# Altium PCB A8_multiple.PcbDoc (part 8 of 10)
Units mm, origin at the board's own origin, x right, y up, seen from the top; angles counter-clockwise.
Board outline 140 x 140 mm, 2 copper layers (Top Layer, Bottom Layer); 80 components, 0 nets, 928 pads, 160 vias.
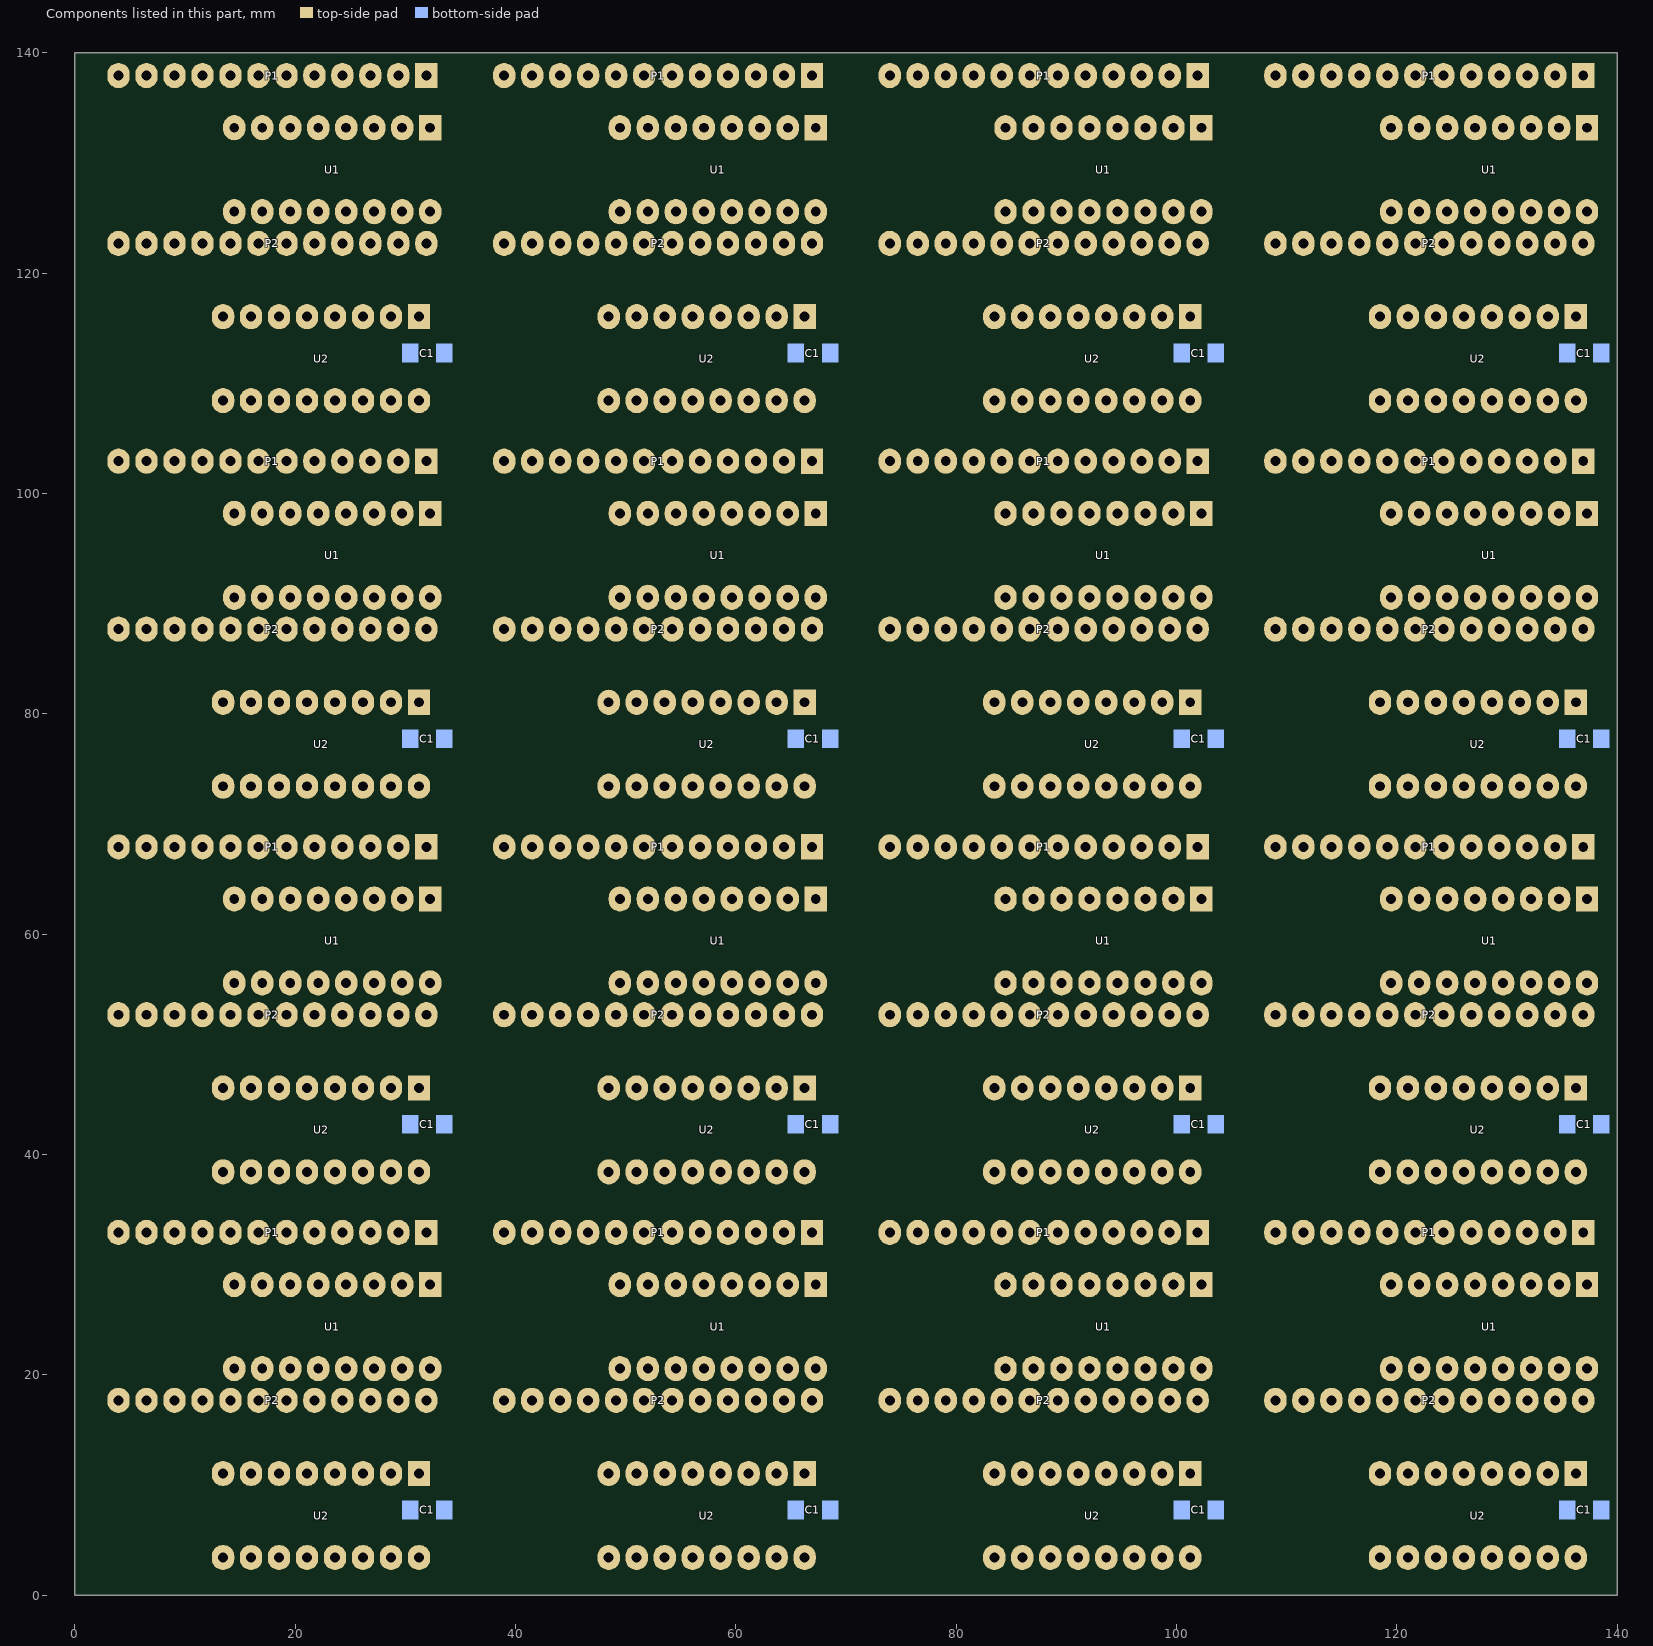
[diagram p8: the components of this part, seen from the top]

## Polygon pours and split planes (outlines as drawn) (continued)
no net on Bottom Layer "Top Layer-No Net 1" (solid, remove dead copper, pour order 30): 123.542,90.523 123.542,92.301 123.034,92.809 122.577,93.266 122.272,93.266 122.348,93.266 122.526,93.444 124.609,93.444 125.142,92.911 125.574,92.479 125.574,90.599
no net on Bottom Layer "Top Layer-No Net 1" (solid, remove dead copper, pour order 28): 121.027,90.599 121.027,91.692 120.367,92.352 120.672,92.657 120.697,92.657 121.993,92.657 122.678,91.971 123.034,91.615 123.034,90.701
no net on Bottom Layer "Top Layer-No Net 1" (solid, remove dead copper, pour order 26): 119.605,89.456 118.64,89.456 118.03,90.066 117.7,90.396 116.659,90.396 116.074,90.396 114.804,91.666 114.931,91.793 119.3,91.793 119.808,91.793 120.215,91.387 120.088,91.26 120.088,90.218
no net on Bottom Layer "Top Layer-No Net 1" (solid, remove dead copper, pour order 24): 110.842,84.199 110.766,84.122 110.486,84.122 110.512,84.148 110.512,85.011 111.299,85.011 111.553,85.265
no net on Bottom Layer "Top Layer-No Net 1" (solid, remove dead copper, pour order 22): 112.518,87.836 112.518,85.748 111.477,84.707 111.375,84.605 110.817,84.605 110.664,84.453 110.207,83.995 110.207,83.97 110.512,84.275 110.512,85.342 110.512,87.602 110.867,87.958
no net on Bottom Layer "Top Layer-No Net 1" (solid, remove dead copper, pour order 20): 112.518,87.653 112.518,88.72 111.401,89.837 111.274,89.964 111.274,91.387 111.274,91.869 112.137,92.733 111.985,92.885 111.883,92.885 111.604,92.885 110.486,91.768 110.512,91.742 110.512,87.729
no net on Bottom Layer "Top Layer-No Net 1" (solid, remove dead copper, pour order 18): 111.299,93.165 111.655,93.52 114.296,93.52 114.296,93.901 113.712,94.486 113.433,94.765 111.68,94.765 111.68,94.587 111.096,94.003
no net on Bottom Layer "Top Layer-No Net 1" (solid, remove dead copper, pour order 16): 23 vertices, not listed, extent 108.226,92.301 110.664,99.845
no net on Bottom Layer "Top Layer-No Net 1" (solid, remove dead copper, pour order 14): 24 vertices, not listed, extent 105.686,92.123 109.978,104.061
no net on Bottom Layer "Top Layer-No Net 1" (solid, remove dead copper, pour order 12): 26 vertices, not listed, extent 110.512,92.276 116.252,102.944
no net on Bottom Layer "Top Layer-No Net 1" (solid, remove dead copper, pour order 10): 19 vertices, not listed, extent 112.264,95.756 114.855,103.172
no net on Bottom Layer "Top Layer-No Net 1" (solid, remove dead copper, pour order 8): 26 vertices, not listed, extent 118.411,97.076 126.311,101.344
no net on Bottom Layer "Top Layer-No Net 1" (solid, remove dead copper, pour order 6): 18 vertices, not listed, extent 133.702,98.829 138.122,102.969
no net on Bottom Layer "Top Layer-No Net 1" (solid, remove dead copper, pour order 4): 131.213,97.94 131.213,97.127 132.457,95.883 132.483,95.857 134.54,95.857 134.54,96.238 134.489,96.289 133.804,96.289 133.321,96.772 133.169,96.924 133.169,98.245 131.772,98.245 131.619,98.397
no net on Bottom Layer "Top Layer-No Net 1" (solid, remove dead copper, pour order 2): 126.946,101.267 126.057,102.156 126.057,102.918 127.657,102.918 127.758,103.02 127.758,99.489 127.835,99.413 128.114,99.134 128.114,98.143 127.581,98.143 126.971,98.753 126.844,98.88 126.844,99.997 126.844,100.15 127.022,100.328
no net on Bottom Layer "Top Layer-No Net 1" (solid, pour order 116): 70.686,77.417 70.686,90.549 70.914,90.777 70.965,90.726 70.965,89.71 70.965,76.782 71.092,76.655
no net on Bottom Layer "Top Layer-No Net 1" (solid, pour order 114): 77.442,70.686 76.731,70.686 75.817,71.6 70.686,76.731 70.686,77.417 71.041,77.417 72.235,76.223 77.493,70.965 77.645,70.965
no net on Bottom Layer "Top Layer-No Net 1" (solid, pour order 112): 91.082,98.143 91.082,98.829 91.641,99.388 91.819,99.566 91.819,99.794 91.819,101.953 91.539,102.233 92.504,101.267 92.504,100.836 92.581,100.759 92.581,98.143
no net on Bottom Layer "Top Layer-No Net 1" (solid, pour order 110): 88.136,101.191 88.72,101.191 88.999,101.471 89.736,102.207 89.736,102.283 89.609,102.283 88.974,102.918 88.263,102.207 88.263,101.623 88.263,101.572 88.009,101.318
no net on Bottom Layer "Top Layer-No Net 1" (solid, pour order 108): 84.554,101.09 85.011,101.09 85.596,101.674 85.672,101.75 85.672,102.969 87.678,102.969 87.678,102.36 87.196,101.877 86.104,100.785 85.85,100.785
no net on Bottom Layer "Top Layer-No Net 1" (solid, pour order 106): 83.487,101.674 84.427,101.674 84.859,102.106 84.554,102.41 83.919,102.41 83.589,102.41 83.462,102.283
no net on Bottom Layer "Top Layer-No Net 1" (solid, pour order 104): 80.287,100.023 82.344,102.08 82.344,102.41 81.989,102.41 81.595,102.804 80.592,101.801 80.592,101.115 80.592,101.039 80.135,100.582 80.084,100.531 80.084,100.023
no net on Bottom Layer "Top Layer-No Net 1" (solid, pour order 102): 97.686,73.404 97.686,76.248 96.238,77.696 96.111,77.823 96.111,78.077 96.67,78.077 98.905,75.842 99.718,75.029 99.718,73.378
no net on Bottom Layer "Top Layer-No Net 1" (solid, pour order 100): 95.171,73.429 95.171,76.147 94.663,76.655 94.181,77.137 94.181,77.315 95.4,77.315 96.695,76.02 97.178,75.537 97.178,73.378
no net on Bottom Layer "Top Layer-No Net 1" (solid, pour order 98): 92.631,73.48 92.631,75.334 91.717,76.248 92.022,76.553 92.2,76.553 92.86,76.553 93.597,76.553 94.333,75.817 94.638,75.512 94.638,73.429
no net on Bottom Layer "Top Layer-No Net 1" (solid, pour order 96): 20 vertices, not listed, extent 83.386,73.454 92.098,76.274
no net on Bottom Layer "Top Layer-No Net 1" (solid, pour order 94): 100.353,76.909 98.753,76.909 96.848,78.814 97.229,79.195 97.457,79.195 99.083,79.195 99.87,78.407 100.099,78.179 100.48,78.179
no net on Bottom Layer "Top Layer-No Net 1" (solid, pour order 92): 33 vertices, not listed, extent 100.226,71.676 104.138,92.657
no net on Bottom Layer "Top Layer-No Net 1" (solid, pour order 90): 100.226,81.074 100.226,83.64 99.82,84.046 98.702,85.164 98.702,85.748 98.702,86.332 98.55,86.485 98.346,86.688 98.346,87.729 100.378,87.729 100.378,85.977 101.115,85.24 102.258,84.097 102.258,80.414
no net on Bottom Layer "Top Layer-No Net 1" (solid, pour order 88): 97.737,86.18 98.118,85.799 98.118,85.392 98.118,84.707 98.473,84.351 97.838,84.986 97.559,84.986
no net on Bottom Layer "Top Layer-No Net 1" (solid, pour order 86): 97.686,80.998 97.686,84.529 97.356,84.859 97.33,84.884 97.33,85.469 95.832,86.967 95.832,87.729 97.838,87.729 97.838,85.215 98.931,84.122 99.718,83.335 99.718,81.024
no net on Bottom Layer "Top Layer-No Net 1" (solid, pour order 84): 95.146,81.049 95.146,82.878 94.968,83.056 94.46,83.564 94.46,85.037 94.46,85.215 95.298,86.053 96.111,86.053 96.441,85.723 96.873,85.291 96.873,85.265 96.873,84.757 97.076,84.554 97.178,84.453 97.178,81.074
no net on Bottom Layer "Top Layer-No Net 1" (solid, pour order 82): 17 vertices, not listed, extent 92.606,80.998 95.324,88.415
no net on Bottom Layer "Top Layer-No Net 1" (solid, pour order 80): 90.752,87.678 90.752,84.91 90.853,84.808 90.955,84.707 90.955,83.36 90.955,82.878 90.472,82.395 90.066,81.989 90.066,80.998 92.098,80.998 92.098,85.469 92.631,86.002 92.758,86.129 92.758,87.729
no net on Bottom Layer "Top Layer-No Net 1" (solid, pour order 78): 28 vertices, not listed, extent 82.446,78.611 90.549,84.681
no net on Bottom Layer "Top Layer-No Net 1" (solid, pour order 76): 87.272,85.519 88.212,86.459 88.212,87.577 90.041,87.577 90.218,87.755 90.218,86.256 89.406,85.443 89.075,85.113 88.161,85.113 87.729,85.113 87.196,84.58 86.383,83.767 85.85,83.767 85.85,83.995 85.799,84.046
no net on Bottom Layer "Top Layer-No Net 1" (solid, pour order 74): 85.672,87.704 85.672,86.078 85.215,85.621 84.605,85.011 84.605,84.656 85.494,84.656 87.196,86.358 87.678,86.84 87.678,87.78
no net on Bottom Layer "Top Layer-No Net 1" (solid, pour order 72): 82.446,85.646 83.132,86.332 83.132,87.805 85.113,87.805 85.138,87.78 85.138,86.383 84.961,86.205 84.173,85.418 82.598,85.418
no net on Bottom Layer "Top Layer-No Net 1" (solid, pour order 70): 82.598,87.729 82.598,86.383 81.582,85.367 81.151,84.935 80.668,84.935 80.643,84.961 80.643,87.78
no net on Bottom Layer "Top Layer-No Net 1" (solid, pour order 68): 83.462,72.311 82.522,72.311 80.998,73.835 76.909,77.925 76.909,78.306 76.985,78.23 77.823,78.23 78.687,78.23 79.22,77.696 81.354,75.563 82.776,75.563 83.36,75.563 84.199,74.724 84.478,74.445 84.478,73.429
no net on Bottom Layer "Top Layer-No Net 1" (solid, pour order 66): 78.687,71.524 78.001,71.524 77.874,71.651 72.057,77.468 72.057,78.128 74.191,75.994 78.407,71.778 78.788,71.778
no net on Bottom Layer "Top Layer-No Net 1" (solid, pour order 64): 84.986,73.404 84.986,72.438 84.3,71.753 84.605,71.448 85.265,71.448 86.104,71.448 86.535,71.88 87.018,72.362 87.018,73.454
no net on Bottom Layer "Top Layer-No Net 1" (solid, pour order 62): 87.526,73.454 87.526,71.829 86.942,71.245 86.688,70.991 86.332,70.991 86.332,70.965 86.612,70.686 88.263,70.686 89.482,71.905 89.558,71.981 89.558,73.454
no net on Bottom Layer "Top Layer-No Net 1" (solid, pour order 60): 70.686,89.152 70.686,90.701 71.422,91.438 72.819,91.438 73.48,92.098 73.556,92.022 73.556,91.869
no net on Bottom Layer "Top Layer-No Net 1" (solid, pour order 58): 73.433,80.033 73.785,80.033 74.115,80.363 73.734,80.744 73.734,80.77 73.404,80.77 73.099,80.465
no net on Bottom Layer "Top Layer-No Net 1" (solid, remove dead copper, pour order 56): 17 vertices, not listed, extent 72.616,80.033 74.928,90.549
no net on Bottom Layer "Top Layer-No Net 1" (solid, remove dead copper, pour order 54): 78.484,82.649 78.484,79.169 77.976,78.661 77.569,78.661 76.96,79.271 75.715,80.516 75.715,83.208 78.484,83.208
no net on Bottom Layer "Top Layer-No Net 1" (solid, remove dead copper, pour order 52): 24 vertices, not listed, extent 75.715,81.836 80.058,92.047
no net on Bottom Layer "Top Layer-No Net 1" (solid, remove dead copper, pour order 50): 96.721,100.886 97.432,100.175 97.889,100.175 97.94,100.175 98.575,99.54 98.778,99.743 99.337,99.743 99.337,99.947 97.737,101.547 97.711,101.521 96.594,101.521
no net on Bottom Layer "Top Layer-No Net 1" (solid, remove dead copper, pour order 48): 97.991,100.886 96.721,100.886 96.238,101.369 95.832,101.775 95.832,102.868 97.508,102.868 97.711,103.071 97.737,103.045 97.737,101.547 97.737,101.344 98.169,100.912
no net on Bottom Layer "Top Layer-No Net 1" (solid, remove dead copper, pour order 46): 95.654,98.194 95.654,100.886 95.324,101.217 95.298,101.242 95.298,102.868 93.393,102.868 93.317,102.944 93.317,99.997 93.597,99.718 93.622,99.693 93.622,98.169
no net on Bottom Layer "Top Layer-No Net 1" (solid, remove dead copper, pour order 44): 101.267,104.061 102.918,104.061 104.315,102.664 104.315,99.388 104.163,99.388 103.96,99.591 101.267,102.283 101.242,102.283
no net on Bottom Layer "Top Layer-No Net 1" (solid, remove dead copper, pour order 42): 75.512,101.852 75.512,100.378 76.045,99.845 76.426,99.464 76.426,101.09 76.579,101.242 76.655,101.318 76.655,102.283 75.715,102.283 75.512,102.487
no net on Bottom Layer "Top Layer-No Net 1" (solid, pour order 40): 74.978,101.572 74.978,100.734 74.724,100.48 74.623,100.378 73.505,100.378 73.505,101.318 73.962,101.775
no net on Bottom Layer "Top Layer-No Net 1" (solid, remove dead copper, pour order 38): 98.727,90.498 98.727,92.86 98.169,93.419 96.568,95.019 96.568,95.375 96.975,94.968 98.499,94.968 98.778,94.968 99.87,93.876 100.709,93.038 100.709,90.498
no net on Bottom Layer "Top Layer-No Net 1" (solid, remove dead copper, pour order 36): 96.162,90.523 96.162,93.52 94.994,94.689 94.257,95.425 94.028,95.425 94.028,95.679 94.079,95.73 94.968,95.73 96.899,93.8 98.194,92.504 98.194,90.447
no net on Bottom Layer "Top Layer-No Net 1" (solid, remove dead copper, pour order 34): 93.622,90.549 93.622,93.546 92.885,94.282 92.504,94.663 92.2,94.663 92.301,94.663 92.606,94.968 93.698,94.968 94.689,93.978 95.654,93.012 95.654,90.549
no net on Bottom Layer "Top Layer-No Net 1" (solid, remove dead copper, pour order 32): 91.082,90.549 91.082,93.089 90.32,93.851 90.269,93.901 90.269,94.206 91.869,94.206 92.835,93.241 93.114,92.962 93.114,90.625
no net on Bottom Layer "Top Layer-No Net 1" (solid, remove dead copper, pour order 30): 88.542,90.523 88.542,92.301 88.034,92.809 87.577,93.266 87.272,93.266 87.348,93.266 87.526,93.444 89.609,93.444 90.142,92.911 90.574,92.479 90.574,90.599
no net on Bottom Layer "Top Layer-No Net 1" (solid, remove dead copper, pour order 28): 86.027,90.599 86.027,91.692 85.367,92.352 85.672,92.657 85.697,92.657 86.993,92.657 87.678,91.971 88.034,91.615 88.034,90.701
no net on Bottom Layer "Top Layer-No Net 1" (solid, remove dead copper, pour order 26): 84.605,89.456 83.64,89.456 83.03,90.066 82.7,90.396 81.659,90.396 81.074,90.396 79.804,91.666 79.931,91.793 84.3,91.793 84.808,91.793 85.215,91.387 85.088,91.26 85.088,90.218
no net on Bottom Layer "Top Layer-No Net 1" (solid, remove dead copper, pour order 24): 75.842,84.199 75.766,84.122 75.486,84.122 75.512,84.148 75.512,85.011 76.299,85.011 76.553,85.265
no net on Bottom Layer "Top Layer-No Net 1" (solid, remove dead copper, pour order 22): 77.518,87.836 77.518,85.748 76.477,84.707 76.375,84.605 75.817,84.605 75.664,84.453 75.207,83.995 75.207,83.97 75.512,84.275 75.512,85.342 75.512,87.602 75.867,87.958
no net on Bottom Layer "Top Layer-No Net 1" (solid, remove dead copper, pour order 20): 77.518,87.653 77.518,88.72 76.401,89.837 76.274,89.964 76.274,91.387 76.274,91.869 77.137,92.733 76.985,92.885 76.883,92.885 76.604,92.885 75.486,91.768 75.512,91.742 75.512,87.729
no net on Bottom Layer "Top Layer-No Net 1" (solid, remove dead copper, pour order 18): 76.299,93.165 76.655,93.52 79.296,93.52 79.296,93.901 78.712,94.486 78.433,94.765 76.68,94.765 76.68,94.587 76.096,94.003
no net on Bottom Layer "Top Layer-No Net 1" (solid, remove dead copper, pour order 16): 23 vertices, not listed, extent 73.226,92.301 75.664,99.845
no net on Bottom Layer "Top Layer-No Net 1" (solid, remove dead copper, pour order 14): 24 vertices, not listed, extent 70.686,92.123 74.978,104.061
no net on Bottom Layer "Top Layer-No Net 1" (solid, remove dead copper, pour order 12): 26 vertices, not listed, extent 75.512,92.276 81.252,102.944
no net on Bottom Layer "Top Layer-No Net 1" (solid, remove dead copper, pour order 10): 19 vertices, not listed, extent 77.264,95.756 79.855,103.172
no net on Bottom Layer "Top Layer-No Net 1" (solid, remove dead copper, pour order 8): 26 vertices, not listed, extent 83.411,97.076 91.311,101.344
no net on Bottom Layer "Top Layer-No Net 1" (solid, remove dead copper, pour order 6): 18 vertices, not listed, extent 98.702,98.829 103.122,102.969
no net on Bottom Layer "Top Layer-No Net 1" (solid, remove dead copper, pour order 4): 96.213,97.94 96.213,97.127 97.457,95.883 97.483,95.857 99.54,95.857 99.54,96.238 99.489,96.289 98.804,96.289 98.321,96.772 98.169,96.924 98.169,98.245 96.772,98.245 96.619,98.397
no net on Bottom Layer "Top Layer-No Net 1" (solid, remove dead copper, pour order 2): 91.946,101.267 91.057,102.156 91.057,102.918 92.657,102.918 92.758,103.02 92.758,99.489 92.835,99.413 93.114,99.134 93.114,98.143 92.581,98.143 91.971,98.753 91.844,98.88 91.844,99.997 91.844,100.15 92.022,100.328
no net on Bottom Layer "Top Layer-No Net 1" (solid, pour order 116): 35.686,77.417 35.686,90.549 35.914,90.777 35.965,90.726 35.965,89.71 35.965,76.782 36.092,76.655
no net on Bottom Layer "Top Layer-No Net 1" (solid, pour order 114): 42.442,70.686 41.731,70.686 40.817,71.6 35.686,76.731 35.686,77.417 36.041,77.417 37.235,76.223 42.493,70.965 42.645,70.965
no net on Bottom Layer "Top Layer-No Net 1" (solid, pour order 112): 56.082,98.143 56.082,98.829 56.641,99.388 56.819,99.566 56.819,99.794 56.819,101.953 56.539,102.233 57.504,101.267 57.504,100.836 57.581,100.759 57.581,98.143
no net on Bottom Layer "Top Layer-No Net 1" (solid, pour order 110): 53.136,101.191 53.72,101.191 53.999,101.471 54.736,102.207 54.736,102.283 54.609,102.283 53.974,102.918 53.263,102.207 53.263,101.623 53.263,101.572 53.009,101.318
no net on Bottom Layer "Top Layer-No Net 1" (solid, pour order 108): 49.554,101.09 50.011,101.09 50.596,101.674 50.672,101.75 50.672,102.969 52.678,102.969 52.678,102.36 52.196,101.877 51.104,100.785 50.85,100.785
no net on Bottom Layer "Top Layer-No Net 1" (solid, pour order 106): 48.487,101.674 49.427,101.674 49.859,102.106 49.554,102.41 48.919,102.41 48.589,102.41 48.462,102.283
no net on Bottom Layer "Top Layer-No Net 1" (solid, pour order 104): 45.287,100.023 47.344,102.08 47.344,102.41 46.989,102.41 46.595,102.804 45.592,101.801 45.592,101.115 45.592,101.039 45.135,100.582 45.084,100.531 45.084,100.023
no net on Bottom Layer "Top Layer-No Net 1" (solid, pour order 102): 62.686,73.404 62.686,76.248 61.238,77.696 61.111,77.823 61.111,78.077 61.67,78.077 63.905,75.842 64.718,75.029 64.718,73.378
no net on Bottom Layer "Top Layer-No Net 1" (solid, pour order 100): 60.171,73.429 60.171,76.147 59.663,76.655 59.181,77.137 59.181,77.315 60.4,77.315 61.695,76.02 62.178,75.537 62.178,73.378
no net on Bottom Layer "Top Layer-No Net 1" (solid, pour order 98): 57.631,73.48 57.631,75.334 56.717,76.248 57.022,76.553 57.2,76.553 57.86,76.553 58.597,76.553 59.333,75.817 59.638,75.512 59.638,73.429
no net on Bottom Layer "Top Layer-No Net 1" (solid, pour order 96): 20 vertices, not listed, extent 48.386,73.454 57.098,76.274
no net on Bottom Layer "Top Layer-No Net 1" (solid, pour order 94): 65.353,76.909 63.753,76.909 61.848,78.814 62.229,79.195 62.457,79.195 64.083,79.195 64.87,78.407 65.099,78.179 65.48,78.179
no net on Bottom Layer "Top Layer-No Net 1" (solid, pour order 92): 33 vertices, not listed, extent 65.226,71.676 69.138,92.657
no net on Bottom Layer "Top Layer-No Net 1" (solid, pour order 90): 65.226,81.074 65.226,83.64 64.82,84.046 63.702,85.164 63.702,85.748 63.702,86.332 63.55,86.485 63.346,86.688 63.346,87.729 65.378,87.729 65.378,85.977 66.115,85.24 67.258,84.097 67.258,80.414
no net on Bottom Layer "Top Layer-No Net 1" (solid, pour order 88): 62.737,86.18 63.118,85.799 63.118,85.392 63.118,84.707 63.473,84.351 62.838,84.986 62.559,84.986
no net on Bottom Layer "Top Layer-No Net 1" (solid, pour order 86): 62.686,80.998 62.686,84.529 62.356,84.859 62.33,84.884 62.33,85.469 60.832,86.967 60.832,87.729 62.838,87.729 62.838,85.215 63.931,84.122 64.718,83.335 64.718,81.024
no net on Bottom Layer "Top Layer-No Net 1" (solid, pour order 84): 60.146,81.049 60.146,82.878 59.968,83.056 59.46,83.564 59.46,85.037 59.46,85.215 60.298,86.053 61.111,86.053 61.441,85.723 61.873,85.291 61.873,85.265 61.873,84.757 62.076,84.554 62.178,84.453 62.178,81.074
no net on Bottom Layer "Top Layer-No Net 1" (solid, pour order 82): 17 vertices, not listed, extent 57.606,80.998 60.324,88.415
no net on Bottom Layer "Top Layer-No Net 1" (solid, pour order 80): 55.752,87.678 55.752,84.91 55.853,84.808 55.955,84.707 55.955,83.36 55.955,82.878 55.472,82.395 55.066,81.989 55.066,80.998 57.098,80.998 57.098,85.469 57.631,86.002 57.758,86.129 57.758,87.729
no net on Bottom Layer "Top Layer-No Net 1" (solid, pour order 78): 28 vertices, not listed, extent 47.446,78.611 55.549,84.681
no net on Bottom Layer "Top Layer-No Net 1" (solid, pour order 76): 52.272,85.519 53.212,86.459 53.212,87.577 55.041,87.577 55.218,87.755 55.218,86.256 54.406,85.443 54.075,85.113 53.161,85.113 52.729,85.113 52.196,84.58 51.383,83.767 50.85,83.767 50.85,83.995 50.799,84.046
no net on Bottom Layer "Top Layer-No Net 1" (solid, pour order 74): 50.672,87.704 50.672,86.078 50.215,85.621 49.605,85.011 49.605,84.656 50.494,84.656 52.196,86.358 52.678,86.84 52.678,87.78
no net on Bottom Layer "Top Layer-No Net 1" (solid, pour order 72): 47.446,85.646 48.132,86.332 48.132,87.805 50.113,87.805 50.138,87.78 50.138,86.383 49.961,86.205 49.173,85.418 47.598,85.418
no net on Bottom Layer "Top Layer-No Net 1" (solid, pour order 70): 47.598,87.729 47.598,86.383 46.582,85.367 46.151,84.935 45.668,84.935 45.643,84.961 45.643,87.78
no net on Bottom Layer "Top Layer-No Net 1" (solid, pour order 68): 48.462,72.311 47.522,72.311 45.998,73.835 41.909,77.925 41.909,78.306 41.985,78.23 42.823,78.23 43.687,78.23 44.22,77.696 46.354,75.563 47.776,75.563 48.36,75.563 49.199,74.724 49.478,74.445 49.478,73.429
no net on Bottom Layer "Top Layer-No Net 1" (solid, pour order 66): 43.687,71.524 43.001,71.524 42.874,71.651 37.057,77.468 37.057,78.128 39.191,75.994 43.407,71.778 43.788,71.778
no net on Bottom Layer "Top Layer-No Net 1" (solid, pour order 64): 49.986,73.404 49.986,72.438 49.3,71.753 49.605,71.448 50.265,71.448 51.104,71.448 51.535,71.88 52.018,72.362 52.018,73.454
no net on Bottom Layer "Top Layer-No Net 1" (solid, pour order 62): 52.526,73.454 52.526,71.829 51.942,71.245 51.688,70.991 51.332,70.991 51.332,70.965 51.612,70.686 53.263,70.686 54.482,71.905 54.558,71.981 54.558,73.454
no net on Bottom Layer "Top Layer-No Net 1" (solid, pour order 60): 35.686,89.152 35.686,90.701 36.422,91.438 37.819,91.438 38.48,92.098 38.556,92.022 38.556,91.869
no net on Bottom Layer "Top Layer-No Net 1" (solid, pour order 58): 38.433,80.033 38.785,80.033 39.115,80.363 38.734,80.744 38.734,80.77 38.404,80.77 38.099,80.465
no net on Bottom Layer "Top Layer-No Net 1" (solid, remove dead copper, pour order 56): 17 vertices, not listed, extent 37.616,80.033 39.928,90.549
no net on Bottom Layer "Top Layer-No Net 1" (solid, remove dead copper, pour order 54): 43.484,82.649 43.484,79.169 42.976,78.661 42.569,78.661 41.96,79.271 40.715,80.516 40.715,83.208 43.484,83.208
no net on Bottom Layer "Top Layer-No Net 1" (solid, remove dead copper, pour order 52): 24 vertices, not listed, extent 40.715,81.836 45.058,92.047
no net on Bottom Layer "Top Layer-No Net 1" (solid, remove dead copper, pour order 50): 61.721,100.886 62.432,100.175 62.889,100.175 62.94,100.175 63.575,99.54 63.778,99.743 64.337,99.743 64.337,99.947 62.737,101.547 62.711,101.521 61.594,101.521
no net on Bottom Layer "Top Layer-No Net 1" (solid, remove dead copper, pour order 48): 62.991,100.886 61.721,100.886 61.238,101.369 60.832,101.775 60.832,102.868 62.508,102.868 62.711,103.071 62.737,103.045 62.737,101.547 62.737,101.344 63.169,100.912
no net on Bottom Layer "Top Layer-No Net 1" (solid, remove dead copper, pour order 46): 60.654,98.194 60.654,100.886 60.324,101.217 60.298,101.242 60.298,102.868 58.393,102.868 58.317,102.944 58.317,99.997 58.597,99.718 58.622,99.693 58.622,98.169
no net on Bottom Layer "Top Layer-No Net 1" (solid, remove dead copper, pour order 44): 66.267,104.061 67.918,104.061 69.315,102.664 69.315,99.388 69.163,99.388 68.96,99.591 66.267,102.283 66.242,102.283
no net on Bottom Layer "Top Layer-No Net 1" (solid, remove dead copper, pour order 42): 40.512,101.852 40.512,100.378 41.045,99.845 41.426,99.464 41.426,101.09 41.579,101.242 41.655,101.318 41.655,102.283 40.715,102.283 40.512,102.487
no net on Bottom Layer "Top Layer-No Net 1" (solid, pour order 40): 39.978,101.572 39.978,100.734 39.724,100.48 39.623,100.378 38.505,100.378 38.505,101.318 38.962,101.775
no net on Bottom Layer "Top Layer-No Net 1" (solid, remove dead copper, pour order 38): 63.727,90.498 63.727,92.86 63.169,93.419 61.568,95.019 61.568,95.375 61.975,94.968 63.499,94.968 63.778,94.968 64.87,93.876 65.709,93.038 65.709,90.498
no net on Bottom Layer "Top Layer-No Net 1" (solid, remove dead copper, pour order 36): 61.162,90.523 61.162,93.52 59.994,94.689 59.257,95.425 59.028,95.425 59.028,95.679 59.079,95.73 59.968,95.73 61.899,93.8 63.194,92.504 63.194,90.447
no net on Bottom Layer "Top Layer-No Net 1" (solid, remove dead copper, pour order 34): 58.622,90.549 58.622,93.546 57.885,94.282 57.504,94.663 57.2,94.663 57.301,94.663 57.606,94.968 58.698,94.968 59.689,93.978 60.654,93.012 60.654,90.549
no net on Bottom Layer "Top Layer-No Net 1" (solid, remove dead copper, pour order 32): 56.082,90.549 56.082,93.089 55.32,93.851 55.269,93.901 55.269,94.206 56.869,94.206 57.835,93.241 58.114,92.962 58.114,90.625
no net on Bottom Layer "Top Layer-No Net 1" (solid, remove dead copper, pour order 30): 53.542,90.523 53.542,92.301 53.034,92.809 52.577,93.266 52.272,93.266 52.348,93.266 52.526,93.444 54.609,93.444 55.142,92.911 55.574,92.479 55.574,90.599
no net on Bottom Layer "Top Layer-No Net 1" (solid, remove dead copper, pour order 28): 51.027,90.599 51.027,91.692 50.367,92.352 50.672,92.657 50.697,92.657 51.993,92.657 52.678,91.971 53.034,91.615 53.034,90.701
no net on Bottom Layer "Top Layer-No Net 1" (solid, remove dead copper, pour order 26): 49.605,89.456 48.64,89.456 48.03,90.066 47.7,90.396 46.659,90.396 46.074,90.396 44.804,91.666 44.931,91.793 49.3,91.793 49.808,91.793 50.215,91.387 50.088,91.26 50.088,90.218
no net on Bottom Layer "Top Layer-No Net 1" (solid, remove dead copper, pour order 24): 40.842,84.199 40.766,84.122 40.486,84.122 40.512,84.148 40.512,85.011 41.299,85.011 41.553,85.265
no net on Bottom Layer "Top Layer-No Net 1" (solid, remove dead copper, pour order 22): 42.518,87.836 42.518,85.748 41.477,84.707 41.375,84.605 40.817,84.605 40.664,84.453 40.207,83.995 40.207,83.97 40.512,84.275 40.512,85.342 40.512,87.602 40.867,87.958
no net on Bottom Layer "Top Layer-No Net 1" (solid, remove dead copper, pour order 20): 42.518,87.653 42.518,88.72 41.401,89.837 41.274,89.964 41.274,91.387 41.274,91.869 42.137,92.733 41.985,92.885 41.883,92.885 41.604,92.885 40.486,91.768 40.512,91.742 40.512,87.729
no net on Bottom Layer "Top Layer-No Net 1" (solid, remove dead copper, pour order 18): 41.299,93.165 41.655,93.52 44.296,93.52 44.296,93.901 43.712,94.486 43.433,94.765 41.68,94.765 41.68,94.587 41.096,94.003
no net on Bottom Layer "Top Layer-No Net 1" (solid, remove dead copper, pour order 16): 23 vertices, not listed, extent 38.226,92.301 40.664,99.845
no net on Bottom Layer "Top Layer-No Net 1" (solid, remove dead copper, pour order 14): 24 vertices, not listed, extent 35.686,92.123 39.978,104.061
no net on Bottom Layer "Top Layer-No Net 1" (solid, remove dead copper, pour order 12): 26 vertices, not listed, extent 40.512,92.276 46.252,102.944
no net on Bottom Layer "Top Layer-No Net 1" (solid, remove dead copper, pour order 10): 19 vertices, not listed, extent 42.264,95.756 44.855,103.172
no net on Bottom Layer "Top Layer-No Net 1" (solid, remove dead copper, pour order 8): 26 vertices, not listed, extent 48.411,97.076 56.311,101.344
no net on Bottom Layer "Top Layer-No Net 1" (solid, remove dead copper, pour order 6): 18 vertices, not listed, extent 63.702,98.829 68.122,102.969
no net on Bottom Layer "Top Layer-No Net 1" (solid, remove dead copper, pour order 4): 61.213,97.94 61.213,97.127 62.457,95.883 62.483,95.857 64.54,95.857 64.54,96.238 64.489,96.289 63.804,96.289 63.321,96.772 63.169,96.924 63.169,98.245 61.772,98.245 61.619,98.397
no net on Bottom Layer "Top Layer-No Net 1" (solid, remove dead copper, pour order 2): 56.946,101.267 56.057,102.156 56.057,102.918 57.657,102.918 57.758,103.02 57.758,99.489 57.835,99.413 58.114,99.134 58.114,98.143 57.581,98.143 56.971,98.753 56.844,98.88 56.844,99.997 56.844,100.15 57.022,100.328
no net on Bottom Layer "Top Layer-No Net 1" (solid, pour order 116): 0.686,77.417 0.686,90.549 0.914,90.777 0.965,90.726 0.965,89.71 0.965,76.782 1.092,76.655
no net on Bottom Layer "Top Layer-No Net 1" (solid, pour order 114): 7.442,70.686 6.731,70.686 5.817,71.6 0.686,76.731 0.686,77.417 1.041,77.417 2.235,76.223 7.493,70.965 7.645,70.965
no net on Bottom Layer "Top Layer-No Net 1" (solid, pour order 112): 21.082,98.143 21.082,98.829 21.641,99.388 21.819,99.566 21.819,99.794 21.819,101.953 21.539,102.233 22.504,101.267 22.504,100.836 22.581,100.759 22.581,98.143
no net on Bottom Layer "Top Layer-No Net 1" (solid, pour order 110): 18.136,101.191 18.72,101.191 18.999,101.471 19.736,102.207 19.736,102.283 19.609,102.283 18.974,102.918 18.263,102.207 18.263,101.623 18.263,101.572 18.009,101.318
no net on Bottom Layer "Top Layer-No Net 1" (solid, pour order 108): 14.554,101.09 15.011,101.09 15.596,101.674 15.672,101.75 15.672,102.969 17.678,102.969 17.678,102.36 17.196,101.877 16.104,100.785 15.85,100.785
no net on Bottom Layer "Top Layer-No Net 1" (solid, pour order 106): 13.487,101.674 14.427,101.674 14.859,102.106 14.554,102.41 13.919,102.41 13.589,102.41 13.462,102.283
no net on Bottom Layer "Top Layer-No Net 1" (solid, pour order 104): 10.287,100.023 12.344,102.08 12.344,102.41 11.989,102.41 11.595,102.804 10.592,101.801 10.592,101.115 10.592,101.039 10.135,100.582 10.084,100.531 10.084,100.023
no net on Bottom Layer "Top Layer-No Net 1" (solid, pour order 102): 27.686,73.404 27.686,76.248 26.238,77.696 26.111,77.823 26.111,78.077 26.67,78.077 28.905,75.842 29.718,75.029 29.718,73.378
no net on Bottom Layer "Top Layer-No Net 1" (solid, pour order 100): 25.171,73.429 25.171,76.147 24.663,76.655 24.181,77.137 24.181,77.315 25.4,77.315 26.695,76.02 27.178,75.537 27.178,73.378
no net on Bottom Layer "Top Layer-No Net 1" (solid, pour order 98): 22.631,73.48 22.631,75.334 21.717,76.248 22.022,76.553 22.2,76.553 22.86,76.553 23.597,76.553 24.333,75.817 24.638,75.512 24.638,73.429
no net on Bottom Layer "Top Layer-No Net 1" (solid, pour order 96): 20 vertices, not listed, extent 13.386,73.454 22.098,76.274
no net on Bottom Layer "Top Layer-No Net 1" (solid, pour order 94): 30.353,76.909 28.753,76.909 26.848,78.814 27.229,79.195 27.457,79.195 29.083,79.195 29.87,78.407 30.099,78.179 30.48,78.179
no net on Bottom Layer "Top Layer-No Net 1" (solid, pour order 92): 33 vertices, not listed, extent 30.226,71.676 34.138,92.657
no net on Bottom Layer "Top Layer-No Net 1" (solid, pour order 90): 30.226,81.074 30.226,83.64 29.82,84.046 28.702,85.164 28.702,85.748 28.702,86.332 28.55,86.485 28.346,86.688 28.346,87.729 30.378,87.729 30.378,85.977 31.115,85.24 32.258,84.097 32.258,80.414
no net on Bottom Layer "Top Layer-No Net 1" (solid, pour order 88): 27.737,86.18 28.118,85.799 28.118,85.392 28.118,84.707 28.473,84.351 27.838,84.986 27.559,84.986
no net on Bottom Layer "Top Layer-No Net 1" (solid, pour order 86): 27.686,80.998 27.686,84.529 27.356,84.859 27.33,84.884 27.33,85.469 25.832,86.967 25.832,87.729 27.838,87.729 27.838,85.215 28.931,84.122 29.718,83.335 29.718,81.024
no net on Bottom Layer "Top Layer-No Net 1" (solid, pour order 84): 25.146,81.049 25.146,82.878 24.968,83.056 24.46,83.564 24.46,85.037 24.46,85.215 25.298,86.053 26.111,86.053 26.441,85.723 26.873,85.291 26.873,85.265 26.873,84.757 27.076,84.554 27.178,84.453 27.178,81.074
no net on Bottom Layer "Top Layer-No Net 1" (solid, pour order 82): 17 vertices, not listed, extent 22.606,80.998 25.324,88.415
no net on Bottom Layer "Top Layer-No Net 1" (solid, pour order 80): 20.752,87.678 20.752,84.91 20.853,84.808 20.955,84.707 20.955,83.36 20.955,82.878 20.472,82.395 20.066,81.989 20.066,80.998 22.098,80.998 22.098,85.469 22.631,86.002 22.758,86.129 22.758,87.729
no net on Bottom Layer "Top Layer-No Net 1" (solid, pour order 78): 28 vertices, not listed, extent 12.446,78.611 20.549,84.681
no net on Bottom Layer "Top Layer-No Net 1" (solid, pour order 76): 17.272,85.519 18.212,86.459 18.212,87.577 20.041,87.577 20.218,87.755 20.218,86.256 19.406,85.443 19.075,85.113 18.161,85.113 17.729,85.113 17.196,84.58 16.383,83.767 15.85,83.767 15.85,83.995 15.799,84.046
no net on Bottom Layer "Top Layer-No Net 1" (solid, pour order 74): 15.672,87.704 15.672,86.078 15.215,85.621 14.605,85.011 14.605,84.656 15.494,84.656 17.196,86.358 17.678,86.84 17.678,87.78
no net on Bottom Layer "Top Layer-No Net 1" (solid, pour order 72): 12.446,85.646 13.132,86.332 13.132,87.805 15.113,87.805 15.138,87.78 15.138,86.383 14.961,86.205 14.173,85.418 12.598,85.418
no net on Bottom Layer "Top Layer-No Net 1" (solid, pour order 70): 12.598,87.729 12.598,86.383 11.582,85.367 11.151,84.935 10.668,84.935 10.643,84.961 10.643,87.78
no net on Bottom Layer "Top Layer-No Net 1" (solid, pour order 68): 13.462,72.311 12.522,72.311 10.998,73.835 6.909,77.925 6.909,78.306 6.985,78.23 7.823,78.23 8.687,78.23 9.22,77.696 11.354,75.563 12.776,75.563 13.36,75.563 14.199,74.724 14.478,74.445 14.478,73.429
no net on Bottom Layer "Top Layer-No Net 1" (solid, pour order 66): 8.687,71.524 8.001,71.524 7.874,71.651 2.057,77.468 2.057,78.128 4.191,75.994 8.407,71.778 8.788,71.778
no net on Bottom Layer "Top Layer-No Net 1" (solid, pour order 64): 14.986,73.404 14.986,72.438 14.3,71.753 14.605,71.448 15.265,71.448 16.104,71.448 16.535,71.88 17.018,72.362 17.018,73.454
no net on Bottom Layer "Top Layer-No Net 1" (solid, pour order 62): 17.526,73.454 17.526,71.829 16.942,71.245 16.688,70.991 16.332,70.991 16.332,70.965 16.612,70.686 18.263,70.686 19.482,71.905 19.558,71.981 19.558,73.454
no net on Bottom Layer "Top Layer-No Net 1" (solid, pour order 60): 0.686,89.152 0.686,90.701 1.422,91.438 2.819,91.438 3.48,92.098 3.556,92.022 3.556,91.869
no net on Bottom Layer "Top Layer-No Net 1" (solid, pour order 58): 3.433,80.033 3.785,80.033 4.115,80.363 3.734,80.744 3.734,80.77 3.404,80.77 3.099,80.465
no net on Bottom Layer "Top Layer-No Net 1" (solid, remove dead copper, pour order 56): 17 vertices, not listed, extent 2.616,80.033 4.928,90.549
no net on Bottom Layer "Top Layer-No Net 1" (solid, remove dead copper, pour order 54): 8.484,82.649 8.484,79.169 7.976,78.661 7.569,78.661 6.96,79.271 5.715,80.516 5.715,83.208 8.484,83.208
no net on Bottom Layer "Top Layer-No Net 1" (solid, remove dead copper, pour order 52): 24 vertices, not listed, extent 5.715,81.836 10.058,92.047
no net on Bottom Layer "Top Layer-No Net 1" (solid, remove dead copper, pour order 50): 26.721,100.886 27.432,100.175 27.889,100.175 27.94,100.175 28.575,99.54 28.778,99.743 29.337,99.743 29.337,99.947 27.737,101.547 27.711,101.521 26.594,101.521
no net on Bottom Layer "Top Layer-No Net 1" (solid, remove dead copper, pour order 48): 27.991,100.886 26.721,100.886 26.238,101.369 25.832,101.775 25.832,102.868 27.508,102.868 27.711,103.071 27.737,103.045 27.737,101.547 27.737,101.344 28.169,100.912
no net on Bottom Layer "Top Layer-No Net 1" (solid, remove dead copper, pour order 46): 25.654,98.194 25.654,100.886 25.324,101.217 25.298,101.242 25.298,102.868 23.393,102.868 23.317,102.944 23.317,99.997 23.597,99.718 23.622,99.693 23.622,98.169
no net on Bottom Layer "Top Layer-No Net 1" (solid, remove dead copper, pour order 44): 31.267,104.061 32.918,104.061 34.315,102.664 34.315,99.388 34.163,99.388 33.96,99.591 31.267,102.283 31.242,102.283
no net on Bottom Layer "Top Layer-No Net 1" (solid, remove dead copper, pour order 42): 5.512,101.852 5.512,100.378 6.045,99.845 6.426,99.464 6.426,101.09 6.579,101.242 6.655,101.318 6.655,102.283 5.715,102.283 5.512,102.487
no net on Bottom Layer "Top Layer-No Net 1" (solid, pour order 40): 4.978,101.572 4.978,100.734 4.724,100.48 4.623,100.378 3.505,100.378 3.505,101.318 3.962,101.775
no net on Bottom Layer "Top Layer-No Net 1" (solid, remove dead copper, pour order 38): 28.727,90.498 28.727,92.86 28.169,93.419 26.568,95.019 26.568,95.375 26.975,94.968 28.499,94.968 28.778,94.968 29.87,93.876 30.709,93.038 30.709,90.498
no net on Bottom Layer "Top Layer-No Net 1" (solid, remove dead copper, pour order 36): 26.162,90.523 26.162,93.52 24.994,94.689 24.257,95.425 24.028,95.425 24.028,95.679 24.079,95.73 24.968,95.73 26.899,93.8 28.194,92.504 28.194,90.447
no net on Bottom Layer "Top Layer-No Net 1" (solid, remove dead copper, pour order 34): 23.622,90.549 23.622,93.546 22.885,94.282 22.504,94.663 22.2,94.663 22.301,94.663 22.606,94.968 23.698,94.968 24.689,93.978 25.654,93.012 25.654,90.549
no net on Bottom Layer "Top Layer-No Net 1" (solid, remove dead copper, pour order 32): 21.082,90.549 21.082,93.089 20.32,93.851 20.269,93.901 20.269,94.206 21.869,94.206 22.835,93.241 23.114,92.962 23.114,90.625
no net on Bottom Layer "Top Layer-No Net 1" (solid, remove dead copper, pour order 30): 18.542,90.523 18.542,92.301 18.034,92.809 17.577,93.266 17.272,93.266 17.348,93.266 17.526,93.444 19.609,93.444 20.142,92.911 20.574,92.479 20.574,90.599
no net on Bottom Layer "Top Layer-No Net 1" (solid, remove dead copper, pour order 28): 16.027,90.599 16.027,91.692 15.367,92.352 15.672,92.657 15.697,92.657 16.993,92.657 17.678,91.971 18.034,91.615 18.034,90.701
no net on Bottom Layer "Top Layer-No Net 1" (solid, remove dead copper, pour order 26): 14.605,89.456 13.64,89.456 13.03,90.066 12.7,90.396 11.659,90.396 11.074,90.396 9.804,91.666 9.931,91.793 14.3,91.793 14.808,91.793 15.215,91.387 15.088,91.26 15.088,90.218
no net on Bottom Layer "Top Layer-No Net 1" (solid, remove dead copper, pour order 24): 5.842,84.199 5.766,84.122 5.486,84.122 5.512,84.148 5.512,85.011 6.299,85.011 6.553,85.265
no net on Bottom Layer "Top Layer-No Net 1" (solid, remove dead copper, pour order 22): 7.518,87.836 7.518,85.748 6.477,84.707 6.375,84.605 5.817,84.605 5.664,84.453 5.207,83.995 5.207,83.97 5.512,84.275 5.512,85.342 5.512,87.602 5.867,87.958
no net on Bottom Layer "Top Layer-No Net 1" (solid, remove dead copper, pour order 20): 7.518,87.653 7.518,88.72 6.401,89.837 6.274,89.964 6.274,91.387 6.274,91.869 7.137,92.733 6.985,92.885 6.883,92.885 6.604,92.885 5.486,91.768 5.512,91.742 5.512,87.729
no net on Bottom Layer "Top Layer-No Net 1" (solid, remove dead copper, pour order 18): 6.299,93.165 6.655,93.52 9.296,93.52 9.296,93.901 8.712,94.486 8.433,94.765 6.68,94.765 6.68,94.587 6.096,94.003
no net on Bottom Layer "Top Layer-No Net 1" (solid, remove dead copper, pour order 16): 23 vertices, not listed, extent 3.226,92.301 5.664,99.845
no net on Bottom Layer "Top Layer-No Net 1" (solid, remove dead copper, pour order 14): 24 vertices, not listed, extent 0.686,92.123 4.978,104.061
no net on Bottom Layer "Top Layer-No Net 1" (solid, remove dead copper, pour order 12): 26 vertices, not listed, extent 5.512,92.276 11.252,102.944
no net on Bottom Layer "Top Layer-No Net 1" (solid, remove dead copper, pour order 10): 19 vertices, not listed, extent 7.264,95.756 9.855,103.172
no net on Bottom Layer "Top Layer-No Net 1" (solid, remove dead copper, pour order 8): 26 vertices, not listed, extent 13.411,97.076 21.311,101.344
no net on Bottom Layer "Top Layer-No Net 1" (solid, remove dead copper, pour order 6): 18 vertices, not listed, extent 28.702,98.829 33.122,102.969
no net on Bottom Layer "Top Layer-No Net 1" (solid, remove dead copper, pour order 4): 26.213,97.94 26.213,97.127 27.457,95.883 27.483,95.857 29.54,95.857 29.54,96.238 29.489,96.289 28.804,96.289 28.321,96.772 28.169,96.924 28.169,98.245 26.772,98.245 26.619,98.397
no net on Bottom Layer "Top Layer-No Net 1" (solid, remove dead copper, pour order 2): 21.946,101.267 21.057,102.156 21.057,102.918 22.657,102.918 22.758,103.02 22.758,99.489 22.835,99.413 23.114,99.134 23.114,98.143 22.581,98.143 21.971,98.753 21.844,98.88 21.844,99.997 21.844,100.15 22.022,100.328
no net on Bottom Layer "Top Layer-No Net 1" (solid, pour order 116): 105.686,42.417 105.686,55.549 105.914,55.777 105.965,55.726 105.965,54.71 105.965,41.782 106.092,41.655
no net on Bottom Layer "Top Layer-No Net 1" (solid, pour order 114): 112.442,35.686 111.731,35.686 110.817,36.6 105.686,41.731 105.686,42.417 106.041,42.417 107.235,41.223 112.493,35.965 112.645,35.965
no net on Bottom Layer "Top Layer-No Net 1" (solid, pour order 112): 126.082,63.143 126.082,63.829 126.641,64.388 126.819,64.566 126.819,64.794 126.819,66.953 126.539,67.233 127.504,66.267 127.504,65.836 127.581,65.759 127.581,63.143
no net on Bottom Layer "Top Layer-No Net 1" (solid, pour order 110): 123.136,66.191 123.72,66.191 123.999,66.471 124.736,67.207 124.736,67.283 124.609,67.283 123.974,67.918 123.263,67.207 123.263,66.623 123.263,66.572 123.009,66.318
no net on Bottom Layer "Top Layer-No Net 1" (solid, pour order 108): 119.554,66.09 120.011,66.09 120.596,66.674 120.672,66.75 120.672,67.969 122.678,67.969 122.678,67.36 122.196,66.877 121.104,65.785 120.85,65.785
no net on Bottom Layer "Top Layer-No Net 1" (solid, pour order 106): 118.487,66.674 119.427,66.674 119.859,67.106 119.554,67.41 118.919,67.41 118.589,67.41 118.462,67.283
no net on Bottom Layer "Top Layer-No Net 1" (solid, pour order 104): 115.287,65.023 117.344,67.08 117.344,67.41 116.989,67.41 116.595,67.804 115.592,66.801 115.592,66.115 115.592,66.039 115.135,65.582 115.084,65.531 115.084,65.023
no net on Bottom Layer "Top Layer-No Net 1" (solid, pour order 102): 132.686,38.404 132.686,41.248 131.238,42.696 131.111,42.823 131.111,43.077 131.67,43.077 133.905,40.842 134.718,40.029 134.718,38.378
no net on Bottom Layer "Top Layer-No Net 1" (solid, pour order 100): 130.171,38.429 130.171,41.147 129.663,41.655 129.181,42.137 129.181,42.315 130.4,42.315 131.695,41.02 132.178,40.537 132.178,38.378
no net on Bottom Layer "Top Layer-No Net 1" (solid, pour order 98): 127.631,38.48 127.631,40.334 126.717,41.248 127.022,41.553 127.2,41.553 127.86,41.553 128.597,41.553 129.333,40.817 129.638,40.512 129.638,38.429
no net on Bottom Layer "Top Layer-No Net 1" (solid, pour order 96): 20 vertices, not listed, extent 118.386,38.454 127.098,41.274
no net on Bottom Layer "Top Layer-No Net 1" (solid, pour order 94): 135.353,41.909 133.753,41.909 131.848,43.814 132.229,44.195 132.457,44.195 134.083,44.195 134.87,43.407 135.099,43.179 135.48,43.179
no net on Bottom Layer "Top Layer-No Net 1" (solid, pour order 92): 33 vertices, not listed, extent 135.226,36.676 139.138,57.657
no net on Bottom Layer "Top Layer-No Net 1" (solid, pour order 90): 135.226,46.074 135.226,48.64 134.82,49.046 133.702,50.164 133.702,50.748 133.702,51.332 133.55,51.485 133.346,51.688 133.346,52.729 135.378,52.729 135.378,50.977 136.115,50.24 137.258,49.097 137.258,45.414
no net on Bottom Layer "Top Layer-No Net 1" (solid, pour order 88): 132.737,51.18 133.118,50.799 133.118,50.392 133.118,49.707 133.473,49.351 132.838,49.986 132.559,49.986
no net on Bottom Layer "Top Layer-No Net 1" (solid, pour order 86): 132.686,45.998 132.686,49.529 132.356,49.859 132.33,49.884 132.33,50.469 130.832,51.967 130.832,52.729 132.838,52.729 132.838,50.215 133.931,49.122 134.718,48.335 134.718,46.024
no net on Bottom Layer "Top Layer-No Net 1" (solid, pour order 84): 130.146,46.049 130.146,47.878 129.968,48.056 129.46,48.564 129.46,50.037 129.46,50.215 130.298,51.053 131.111,51.053 131.441,50.723 131.873,50.291 131.873,50.265 131.873,49.757 132.076,49.554 132.178,49.453 132.178,46.074
no net on Bottom Layer "Top Layer-No Net 1" (solid, pour order 82): 17 vertices, not listed, extent 127.606,45.998 130.324,53.415
no net on Bottom Layer "Top Layer-No Net 1" (solid, pour order 80): 125.752,52.678 125.752,49.91 125.853,49.808 125.955,49.707 125.955,48.36 125.955,47.878 125.472,47.395 125.066,46.989 125.066,45.998 127.098,45.998 127.098,50.469 127.631,51.002 127.758,51.129 127.758,52.729
no net on Bottom Layer "Top Layer-No Net 1" (solid, pour order 78): 28 vertices, not listed, extent 117.446,43.611 125.549,49.681
no net on Bottom Layer "Top Layer-No Net 1" (solid, pour order 76): 122.272,50.519 123.212,51.459 123.212,52.577 125.041,52.577 125.218,52.755 125.218,51.256 124.406,50.443 124.075,50.113 123.161,50.113 122.729,50.113 122.196,49.58 121.383,48.767 120.85,48.767 120.85,48.995 120.799,49.046
no net on Bottom Layer "Top Layer-No Net 1" (solid, pour order 74): 120.672,52.704 120.672,51.078 120.215,50.621 119.605,50.011 119.605,49.656 120.494,49.656 122.196,51.358 122.678,51.84 122.678,52.78
no net on Bottom Layer "Top Layer-No Net 1" (solid, pour order 72): 117.446,50.646 118.132,51.332 118.132,52.805 120.113,52.805 120.138,52.78 120.138,51.383 119.961,51.205 119.173,50.418 117.598,50.418
no net on Bottom Layer "Top Layer-No Net 1" (solid, pour order 70): 117.598,52.729 117.598,51.383 116.582,50.367 116.151,49.935 115.668,49.935 115.643,49.961 115.643,52.78
no net on Bottom Layer "Top Layer-No Net 1" (solid, pour order 68): 118.462,37.311 117.522,37.311 115.998,38.835 111.909,42.925 111.909,43.306 111.985,43.23 112.823,43.23 113.687,43.23 114.22,42.696 116.354,40.563 117.776,40.563 118.36,40.563 119.199,39.724 119.478,39.445 119.478,38.429
no net on Bottom Layer "Top Layer-No Net 1" (solid, pour order 66): 113.687,36.524 113.001,36.524 112.874,36.651 107.057,42.468 107.057,43.128 109.191,40.994 113.407,36.778 113.788,36.778
no net on Bottom Layer "Top Layer-No Net 1" (solid, pour order 64): 119.986,38.404 119.986,37.438 119.3,36.753 119.605,36.448 120.265,36.448 121.104,36.448 121.535,36.88 122.018,37.362 122.018,38.454
no net on Bottom Layer "Top Layer-No Net 1" (solid, pour order 62): 122.526,38.454 122.526,36.829 121.942,36.245 121.688,35.991 121.332,35.991 121.332,35.965 121.612,35.686 123.263,35.686 124.482,36.905 124.558,36.981 124.558,38.454
no net on Bottom Layer "Top Layer-No Net 1" (solid, pour order 60): 105.686,54.152 105.686,55.701 106.422,56.438 107.819,56.438 108.48,57.098 108.556,57.022 108.556,56.869
no net on Bottom Layer "Top Layer-No Net 1" (solid, pour order 58): 108.433,45.033 108.785,45.033 109.115,45.363 108.734,45.744 108.734,45.77 108.404,45.77 108.099,45.465
no net on Bottom Layer "Top Layer-No Net 1" (solid, remove dead copper, pour order 56): 17 vertices, not listed, extent 107.616,45.033 109.928,55.549
no net on Bottom Layer "Top Layer-No Net 1" (solid, remove dead copper, pour order 54): 113.484,47.649 113.484,44.169 112.976,43.661 112.569,43.661 111.96,44.271 110.715,45.516 110.715,48.208 113.484,48.208
no net on Bottom Layer "Top Layer-No Net 1" (solid, remove dead copper, pour order 52): 24 vertices, not listed, extent 110.715,46.836 115.058,57.047
no net on Bottom Layer "Top Layer-No Net 1" (solid, remove dead copper, pour order 50): 131.721,65.886 132.432,65.175 132.889,65.175 132.94,65.175 133.575,64.54 133.778,64.743 134.337,64.743 134.337,64.947 132.737,66.547 132.711,66.521 131.594,66.521
no net on Bottom Layer "Top Layer-No Net 1" (solid, remove dead copper, pour order 48): 132.991,65.886 131.721,65.886 131.238,66.369 130.832,66.775 130.832,67.868 132.508,67.868 132.711,68.071 132.737,68.045 132.737,66.547 132.737,66.344 133.169,65.912
no net on Bottom Layer "Top Layer-No Net 1" (solid, remove dead copper, pour order 46): 130.654,63.194 130.654,65.886 130.324,66.217 130.298,66.242 130.298,67.868 128.393,67.868 128.317,67.944 128.317,64.997 128.597,64.718 128.622,64.693 128.622,63.169
no net on Bottom Layer "Top Layer-No Net 1" (solid, remove dead copper, pour order 44): 136.267,69.061 137.918,69.061 139.315,67.664 139.315,64.388 139.163,64.388 138.96,64.591 136.267,67.283 136.242,67.283
no net on Bottom Layer "Top Layer-No Net 1" (solid, remove dead copper, pour order 42): 110.512,66.852 110.512,65.378 111.045,64.845 111.426,64.464 111.426,66.09 111.579,66.242 111.655,66.318 111.655,67.283 110.715,67.283 110.512,67.487
no net on Bottom Layer "Top Layer-No Net 1" (solid, pour order 40): 109.978,66.572 109.978,65.734 109.724,65.48 109.623,65.378 108.505,65.378 108.505,66.318 108.962,66.775
no net on Bottom Layer "Top Layer-No Net 1" (solid, remove dead copper, pour order 38): 133.727,55.498 133.727,57.86 133.169,58.419 131.568,60.019 131.568,60.375 131.975,59.968 133.499,59.968 133.778,59.968 134.87,58.876 135.709,58.038 135.709,55.498
no net on Bottom Layer "Top Layer-No Net 1" (solid, remove dead copper, pour order 36): 131.162,55.523 131.162,58.52 129.994,59.689 129.257,60.425 129.028,60.425 129.028,60.679 129.079,60.73 129.968,60.73 131.899,58.8 133.194,57.504 133.194,55.447
no net on Bottom Layer "Top Layer-No Net 1" (solid, remove dead copper, pour order 34): 128.622,55.549 128.622,58.546 127.885,59.282 127.504,59.663 127.2,59.663 127.301,59.663 127.606,59.968 128.698,59.968 129.689,58.978 130.654,58.012 130.654,55.549
no net on Bottom Layer "Top Layer-No Net 1" (solid, remove dead copper, pour order 32): 126.082,55.549 126.082,58.089 125.32,58.851 125.269,58.901 125.269,59.206 126.869,59.206 127.835,58.241 128.114,57.962 128.114,55.625
no net on Bottom Layer "Top Layer-No Net 1" (solid, remove dead copper, pour order 30): 123.542,55.523 123.542,57.301 123.034,57.809 122.577,58.266 122.272,58.266 122.348,58.266 122.526,58.444 124.609,58.444 125.142,57.911 125.574,57.479 125.574,55.599
no net on Bottom Layer "Top Layer-No Net 1" (solid, remove dead copper, pour order 28): 121.027,55.599 121.027,56.692 120.367,57.352 120.672,57.657 120.697,57.657 121.993,57.657 122.678,56.971 123.034,56.615 123.034,55.701
no net on Bottom Layer "Top Layer-No Net 1" (solid, remove dead copper, pour order 26): 119.605,54.456 118.64,54.456 118.03,55.066 117.7,55.396 116.659,55.396 116.074,55.396 114.804,56.666 114.931,56.793 119.3,56.793 119.808,56.793 120.215,56.387 120.088,56.26 120.088,55.218
no net on Bottom Layer "Top Layer-No Net 1" (solid, remove dead copper, pour order 24): 110.842,49.199 110.766,49.122 110.486,49.122 110.512,49.148 110.512,50.011 111.299,50.011 111.553,50.265
no net on Bottom Layer "Top Layer-No Net 1" (solid, remove dead copper, pour order 22): 112.518,52.836 112.518,50.748 111.477,49.707 111.375,49.605 110.817,49.605 110.664,49.453 110.207,48.995 110.207,48.97 110.512,49.275 110.512,50.342 110.512,52.602 110.867,52.958